# KiCad board pcb.kicad_pcb (continued)
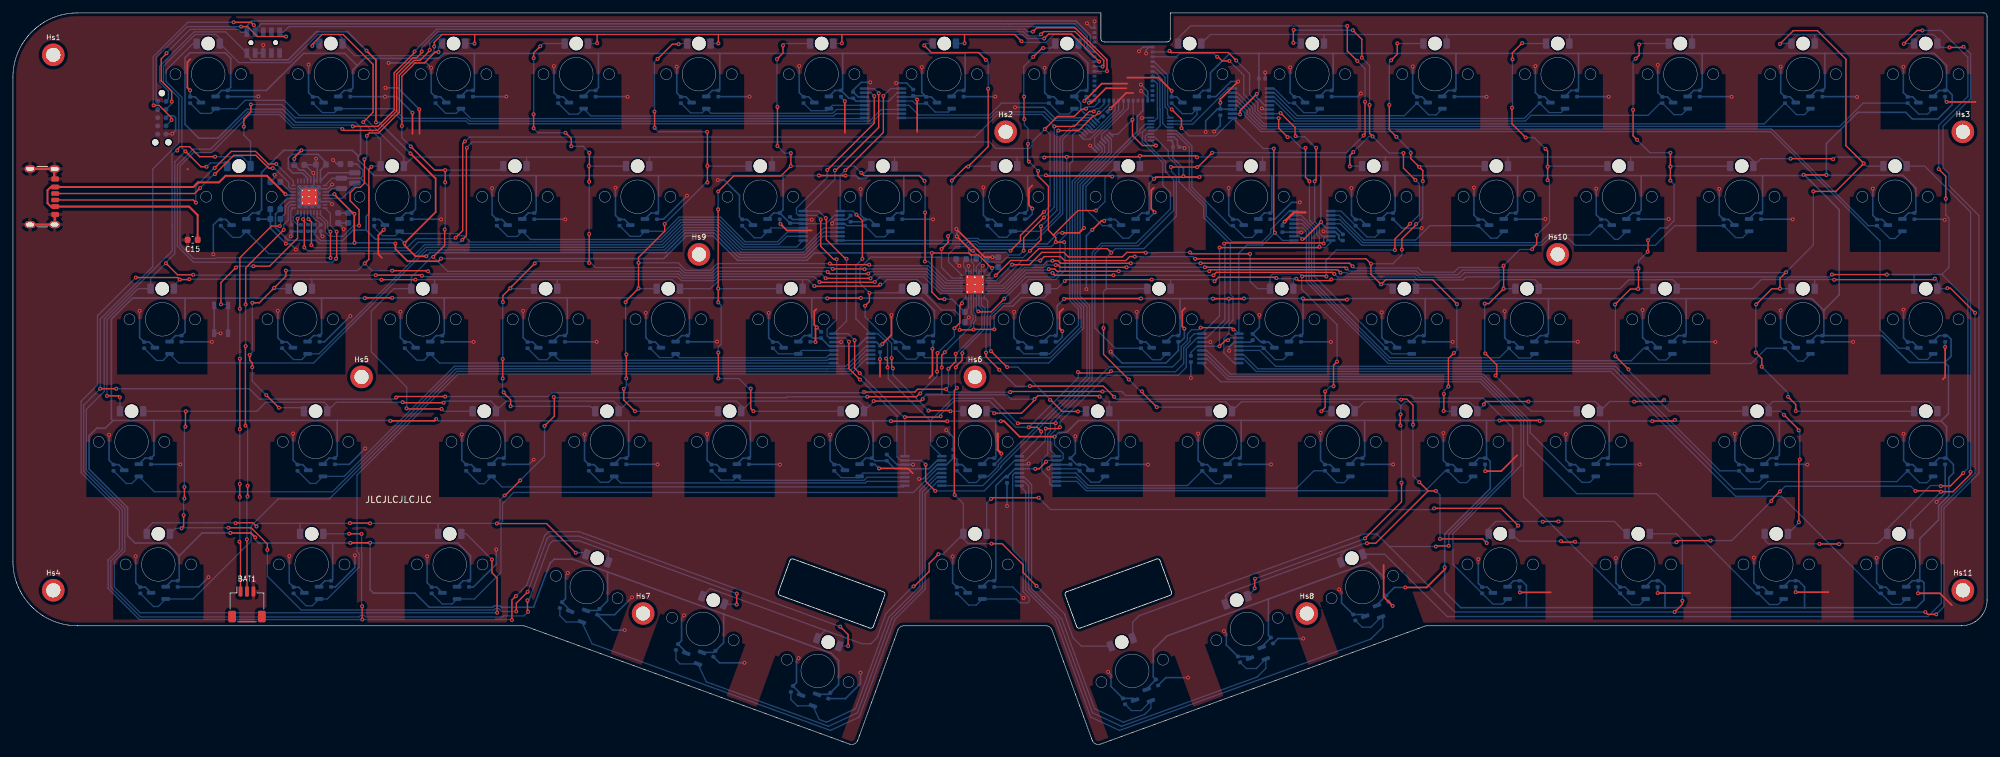
[diagram p0: board, top side]
## Routing (per net, layer and track width the routed paths; a pad name or vN(x,y) marks a point on that pad's centre or on a via; arc(x,y) is an arc through that point) (continued)
/NRESET: length 160.4
  Top w0.2: v1(35.34,111.22) 36.34,111.22 37.88,109.68 v1(42.31,109.68)
  Bottom w0.2: M1.7 167.2,106.55 165.94,107.81 165.94,109.57 164.28,111.22 154.47,111.22 154.47,111.23 153.47,111.23 153.47,111.22 42.75,111.22 41.88,110.35 JTAG1.10 41.98,109.68 v1(42.31,109.68) ; v1(35.34,111.22) 26.97,111.22 22.19,106.43 22.19,99.87 JTAG2.10
/SCL: length 181.7
  Top w0.2: v1(44.92,81.36) 45.01,81.36 45.13,81.24 v1(45.13,76.97) ; v1(166.19,98.5) 166.11,98.42 165.49,98.42 164.38,97.31 161.79,97.31 v1(159.81,95.32) ; v1(69.59,78.17) 70.23,78.81 70.23,92.36 v1(70.31,92.44) ; v1(154.51,76.48) 156.04,78.01 156.04,78.85 v1(159.7,82.51)
  Bottom w0.2: PMIC1.14 45.12,81.56 v1(44.92,81.36) 44.92,81.28 R1.2 ; v1(154.51,76.48) 154.28,76.71 149.32,76.71 148.89,77.14 148.4,77.14 148.02,76.75 148.02,76.04 148.44,75.62 148.44,74.74 148.8,74.39 LEDDR1.28 ; v1(45.13,76.97) 45.62,76.48 54.98,76.48 55.02,76.44 59.1,76.44 59.14,76.48 61.45,76.48 62.78,77.81 69.23,77.81 v1(69.59,78.17) ; 168.25,99.95 168.25,99.79 ; v1(159.7,82.51) 160.63,83.44 160.63,94.51 v1(159.81,95.32) 159.81,95.32 157.86,93.37 157.86,92.77 157.43,92.34 152.26,92.34 151.26,93.34 71.13,93.34 70.31,92.52 v1(70.31,92.44) ; M1.17 168.25,99.59 167.46,98.8 166.5,98.8 v1(166.19,98.5)
/SDA: length 179.9
  Top w0.2: v1(161.28,95.75) 164.39,95.75 166.71,98.07 v1(167.38,98.07) ; v1(45.77,81.38) 46.23,80.92 46.23,77.35 v1(46.22,77.34) ; v1(70,93.44) 69.66,93.1 69.66,79.59 v1(68.57,78.5) ; v1(156.54,76.5) 156.54,78.5 v1(159.68,81.64)
  Bottom w0.2: v1(159.68,81.64) 161.28,83.24 v1(161.28,95.75) 159.43,97.6 152.48,97.6 148.99,94.11 70.72,94.11 70.05,93.44 v1(70,93.44) ; LEDDR1.29 149.2,74 149.99,74.79 149.99,75.69 150.54,76.24 153.83,76.24 154.24,75.83 155.87,75.83 v1(156.54,76.5) ; v1(167.38,98.07) 167.82,98.5 168.25,98.5 169,99.25 M1.18 ; v1(68.57,78.5) 68.42,78.35 62.41,78.35 61.01,76.95 46.61,76.95 v1(46.22,77.34) ; PMIC1.13 45.62,81.53 v1(45.77,81.38) 45.84,81.38 R2.2
/SW0: length 994.2
  Top w0.2: 90.48,110 109.28,110 ; 90.48,110 71.51,110 ; 90.48,110 v1(90.48,108.65) ; 109.28,110 109.26,109.98 v1(109.26,108.62) ; 109.28,110 128.41,110 ; v1(131.81,54.58) 139.68,54.58 140.11,55.01 v1(144.52,55.01) ; v1(146.01,60.52) 146.01,59.3 v1(144.88,58.17) ; v1(299.91,108) 302.01,108 v1(302.11,108.1) ; 71.51,110 71.51,108.61 v1(71.49,108.59) ; 71.51,110 66.44,110 65.25,108.81 v1(65.25,108.13) ; v1(66.96,53.88) 59.5,53.88 v1(59.35,53.73) ; v1(258.56,22.21) 258.56,21.68 v1(257.36,20.48) ; 147.38,110 155.15,110 v1(156.2,108.95) ; 147.38,110 v1(147.38,108.63) ; 147.38,110 128.41,110 ; v1(79.69,22.29) 79.69,20.62 v1(79.79,20.52) ; v1(222.38,30.73) 220.47,30.73 v1(220.37,30.63) ; v1(168.76,54.66) 154.55,54.66 v1(154.45,54.56) ; 128.41,110 128.39,109.98 v1(128.39,108.63) ; v1(16.01,55.09) v1(13.52,55.09) ; v1(297.87,20.12) 296.53,20.12 v1(296.18,20.47)
  Bottom w0.2: 80.12,22.82 79.83,22.04 79.8,22.04 ; D13.2 260.05,109.94 260.11,110 ; D11.2 222.05,109.97 222.08,110 ; v1(144.88,58.17) 144.88,55.37 v1(144.52,55.01) 144.97,54.56 v1(154.45,54.56) ; v1(109.26,108.62) 109.24,108.6 D5.2 ; 279.1,110 279.05,109.95 D14.2 ; 279.1,110 260.11,110 ; 279.1,110 297.45,110 298.05,109.4 D15.2 298.65,108 v1(299.91,108) ; v1(258.56,22.21) 258.56,31.68 257.64,32.6 D70.2 ; D9.2 185.45,110 203.03,110 ; 213.17,30.63 211.23,32.57 209.2,32.57 174.44,19.91 173.42,18.89 D66.2 ; 213.17,30.63 223.32,20.48 v1(257.36,20.48) 296.17,20.48 v1(296.18,20.47) ; 213.17,30.63 v1(220.37,30.63) ; 203.03,110 222.08,110 ; 203.03,110 203.05,109.98 D10.2 ; 222.08,110 241.07,110 ; 260.11,110 241.07,110 ; v1(156.2,108.95) 156.38,108.77 160.02,108.77 160.02,108.78 161.24,110 163.83,110 165.05,108.78 D8.2 ; D3.2 71.48,108.6 v1(71.49,108.59) ; v1(147.38,108.63) 147.35,108.6 D7.2 ; 241.07,110 241.05,109.98 D12.2 ; LEDDR1.11 149.6,67.92 150.17,67.35 150.17,66.81 150.06,66.7 150.06,64.49 146.09,60.52 v1(146.01,60.52) ; v1(90.48,108.65) 90.43,108.6 D4.2 ; v1(222.38,30.73) 222.38,32.58 232.31,42.51 232.31,49.02 227.69,53.64 216.97,53.64 216.57,54.04 172.35,54.04 171.73,54.66 v1(168.76,54.66) ; v1(297.87,20.12) 299.06,21.31 299.06,36.56 304.49,41.99 304.49,81.92 299.83,86.59 299.83,88.41 298.93,89.31 298.93,95.8 303.17,100.04 303.19,100.04 303.19,107.02 v1(302.11,108.1) ; v1(79.69,22.29) 80.09,22.69 80.09,22.76 83.08,30.98 83.63,31.52 87.69,31.52 92.16,29.89 92.19,29.86 D62.2 ; v1(66.96,53.88) 82.9,53.88 83.49,54.47 131.7,54.47 v1(131.81,54.58) ; D6.2 128.36,108.6 v1(128.39,108.63) ; v1(79.79,20.52) 79.15,19.88 76,19.88 75.83,19.71 54.65,19.71 54.4,19.96 53.86,19.96 53.61,19.71 19.76,19.71 15.15,24.31 15.15,28.35 16.93,30.13 16.93,36.32 10.96,42.28 10.96,52.53 v1(13.52,55.09) 13.52,65.87 21.66,74.01 21.66,89.14 25.69,93.17 25.69,100.18 23.32,102.55 23.32,105.12 28.2,110 31.45,110 32.05,109.4 D1.2 35.01,105.64 42.88,105.64 47.24,110 50.45,110 51.05,109.4 D2.2 52.92,106.72 56.61,106.72 56.62,106.72 58.54,106.72 58.55,106.72 64.6,106.72 65.23,107.35 65.23,108.11 v1(65.25,108.13) ; v1(59.35,53.73) 59.1,53.48 38.21,53.48 36.6,55.09 v1(16.01,55.09)
/SW1: length 719.8
  Top w0.2: v1(272.33,37.67) 272.33,37.82 v1(273.69,39.18) ; v1(74.19,28.61) 74.19,26.56 74.99,25.76 v1(74.99,20.36) ; v1(25.45,92.01) 25.45,92.19 25.87,92.61 27.36,92.61 28.91,91.06 v1(31.31,91.06) ; v1(220.1,36.55) 230.46,36.55 v1(233.14,33.87) ; v1(35.76,95.71) 35.76,96.91 36.85,98 v1(36.85,99.15) ; v1(281.9,90.67) 281.81,90.76 v1(275.31,90.76) ; v1(257.63,31.3) 257.88,31.55 v1(262.92,31.55) ; v1(159.73,90.93) 159.84,91.04 v1(163.21,91.04) 174.41,91.04 v1(174.56,91.19) 183.16,91.19 v1(183.38,90.97) ; v1(149.52,67.08) 149.59,67.01 151.5,67.01 v1(153.54,69.05) ; v1(303.19,42.22) 303.19,41.84 300.47,39.12 v1(298.62,39.12) 298.47,39.27 294.7,39.27 v1(294.66,39.23) ; v1(239.76,31.46) 239.9,31.32 241.88,31.32 v1(241.93,31.37) ; v1(158.87,38.19) 151.65,38.19 v1(151.48,38.02)
  Bottom w0.2: 231.55,91 212.5,91 ; 231.55,91 250.55,91 ; 231.55,91 D26.2 ; 212.5,91 212.55,90.95 D25.2 ; 212.5,91 193.63,91 ; v1(31.31,91.06) 35.52,91.06 36.8,89.78 D16.2 36.8,93.38 35.76,94.42 v1(35.76,95.71) ; v1(149.52,67.08) 149.2,67.4 LEDDR1.12 ; 136.5,91 155.51,91 ; 136.5,91 117.53,91 ; 136.5,91 136.55,90.95 D21.2 ; 155.51,91 159.66,91 v1(159.73,90.93) ; 155.51,91 155.55,90.96 D22.2 ; v1(273.69,39.18) 274.48,39.97 293.92,39.97 v1(294.66,39.23) ; 117.53,91 117.55,90.98 D20.2 ; 117.53,91 98.58,91 ; v1(74.99,20.36) 19.7,20.36 15.7,24.36 15.7,28.33 17.33,29.96 17.33,36.48 11.37,42.45 11.37,51.89 14.14,54.67 14.14,65.92 24.67,76.45 24.67,80.47 24.65,80.49 24.65,91.39 25.27,92.01 v1(25.45,92.01) ; v1(262.92,31.55) 266.21,31.55 v1(272.33,37.67) ; 98.58,91 98.55,90.97 D19.2 ; 98.58,91 79.57,91 ; v1(151.48,38.02) 150.8,37.34 D65.2 ; v1(303.19,42.22) 303.19,82.5 296.09,89.6 D29.2 293.3,89.78 292.08,91 282.23,91 v1(281.9,90.67) ; v1(174.56,91.19) 174.55,91.18 D23.2 ; D72.2 293.9,34.41 v1(298.62,39.12) ; 79.57,91 79.55,90.98 D18.2 ; 79.57,91 61.95,91 D17.2 ; 193.63,91 193.55,90.92 D24.2 ; 193.63,91 183.41,91 v1(183.38,90.97) ; v1(275.31,90.76) 270.71,90.76 D28.2 269.55,90.4 268.95,91 250.55,91 ; v1(74.19,28.61) 70.2,32.6 D61.2 ; 250.55,91 D27.2 ; v1(153.54,69.05) 156.91,72.42 161.23,72.42 162.16,73.35 162.16,78.05 163.21,79.1 v1(163.21,91.04) ; v1(220.1,36.55) 219.91,36.36 160.7,36.36 v1(158.87,38.19) ; v1(257.63,31.3) 257.52,31.19 242.11,31.19 v1(241.93,31.37) ; v1(233.14,33.87) 232.15,32.88 D69.2 233.29,31.46 v1(239.76,31.46) ; 60.55,90.4 60.55,91.03 54.5,97.08 43.71,97.08 41.64,99.15 v1(36.85,99.15)
/SW2: length 671.4
  Top w0.2: v1(195.68,72.24) 195.55,72.37 186.72,72.37 v1(186.1,71.75) ; v1(162.91,71.79) 163.12,72 v1(176.37,72) ; v1(128.12,18.21) 129.35,16.98 v1(129.35,15.2) ; v1(77.28,19.24) 77.28,22.34 v1(77.89,22.95) ; v1(198.76,72.15) 199.06,71.85 204.01,71.85 v1(204.2,72.04) ; v1(19.02,72.33) 25.52,72.33 v1(25.84,72.01) 27.27,72.01 v1(27.33,72.07) ; v1(303.89,66.86) 300.07,70.68 v1(299.59,70.68) ; v1(152.01,64.29) 148.77,64.29 v1(148.77,64.27) 148.71,64.21 v1(146.62,64.21) ; v1(54,32.6) 53.99,32.61 v1(52.08,32.61) ; v1(54.13,19.31) 54.09,19.35 v1(54.09,21.39) ; v1(297.66,72.16) 297.5,72 282.08,72 v1(282.06,71.98) ; v1(57.07,71.98) 57.09,72 v1(62.35,72) ; v1(134.33,71.25) 134.07,70.99 124.14,70.99 v1(124.12,71.01)
  Bottom w0.2: v1(282.06,71.98) 282,72.04 281.53,72.04 281.51,72.01 279.11,72.01 ; v1(77.28,19.24) 77.21,19.31 v1(54.13,19.31) 53.78,19.31 53.78,19.3 19.59,19.3 14.75,24.15 14.74,24.16 14.74,28.51 14.75,28.51 14.75,28.52 16.5,30.27 16.5,36.14 10.56,42.07 10.56,53.14 13.09,55.67 13.09,66.4 v1(19.02,72.33) ; D31.2 46.3,72 46.23,72.07 ; 91.28,31.62 87.66,32.93 82.96,32.93 82.37,32.35 79.58,24.67 79.58,24.63 v1(77.89,22.95) ; v1(152.01,64.29) 151.97,64.32 151.97,66.45 153.42,67.9 154.88,67.9 156.17,69.19 159.7,69.19 160.3,69.8 D37.2 161.72,70.6 v1(162.91,71.79) ; 91.2,31.65 v1(128.12,18.21) ; D39.2 198.3,72.07 198.22,72.15 ; D60.2 52.07,32.6 v1(52.08,32.61) ; 179.33,72 179.3,71.97 D38.2 ; 179.33,72 v1(176.37,72) ; 179.33,72 185.85,72 v1(186.1,71.75) ; v1(303.89,66.86) 303.89,42.01 298.66,36.78 298.66,21.85 296.59,19.78 222.13,19.78 212.48,29.42 D68.2 ; v1(25.84,72.01) 24.93,71.09 D30.2 ; v1(146.62,64.21) 146.62,66.45 145.77,67.3 143.8,67.3 141.3,69.8 D36.2 ; D32.2 65.3,71.97 65.27,72 ; LEDDR1.13 148.8,66.88 149.1,66.57 149.1,65.7 148.8,65.4 148.8,64.3 v1(148.77,64.27) ; 122.28,72 122.3,71.98 D35.2 ; 122.28,72 123.13,72 v1(124.12,71.01) ; 122.28,72 109.43,72 108.03,70.6 D34.2 103.3,70.78 102.08,72 84.27,72 ; v1(297.66,72.16) 298.05,71.77 D44.2 299.51,70.6 v1(299.59,70.68) ; v1(195.68,72.24) 195.77,72.15 198.22,72.15 ; 198.22,72.15 v1(198.76,72.15) ; 84.27,72 65.27,72 ; 84.27,72 84.3,71.97 D33.2 ; v1(134.33,71.25) 134.61,71.25 135.36,72 140.08,72 141.3,70.78 ; D64.2 129.35,15.19 v1(129.35,15.2) ; v1(27.33,72.07) 46.23,72.07 ; 46.23,72.07 56.98,72.07 v1(57.07,71.98) ; 65.27,72 v1(62.35,72) ; v1(54.09,21.39) 54,21.48 54,27.24 54.02,27.27 54.02,29.68 54,29.7 v1(54,32.6) ; D43.2 279.05,71.98 279.01,72.01 270.79,72.01 269.37,70.6 D42.2 257.68,71.4 257.07,72 254.43,72 254.41,71.98 250.27,71.98 248.89,70.6 D41.2 236.3,71.4 235.7,72 230.49,72 229.14,70.65 217.35,70.65 D40.2 217.3,71.4 216.68,72.02 204.96,72.02 204.94,72.04 v1(204.2,72.04)
/SW3: length 522.7
  Top w0.2: v1(151.97,51.29) 156.2,51.29 158.21,53.3 v1(158.21,53.47) 158.75,54.01 168.16,54.01 v1(168.3,53.86) ; v1(214.88,49.41) 214.88,51.07 v1(214.92,51.11) ; v1(140.91,53.49) 140.59,53.18 v1(133.3,53.18) ; v1(39.41,30.11) 39.41,31.02 36.9,33.54 v1(33.36,33.54) ; v1(26.78,51.6) 26.72,51.54 v1(26.72,49.21) ; v1(26.56,38.07) v1(26.56,39.86) ; v1(274.29,51.04) 276.57,48.76 v1(276.57,48.64) ; v1(255.72,53.33) 255.5,53.11 251.11,53.11 v1(251.09,53.09) ; v1(60.36,53) 60.44,52.92 v1(66.7,52.92) ; v1(234.72,53.11) 228.11,53.11 227.81,52.81 v1(227.81,52.66) ; v1(192.31,24.16) 192.31,25.58 v1(192.36,25.63) ; v1(143.86,58.36) 143.86,60.28 v1(144.34,60.76) ; v1(215.06,40.53) 215.06,37.55 v1(209.4,31.89) ; v1(276.75,44.11) 276.6,43.96 v1(276.6,34.39) ; v1(112.09,21.63) 112.09,23.31 v1(112.11,23.33) ; v1(26.11,33.45) 26.44,33.78 v1(26.44,35.51) ; v1(79.74,23.62) 77.96,21.84 v1(77.96,20.56)
  Bottom w0.2: v1(209.4,31.89) 209.29,31.78 209.24,31.78 v1(192.36,25.63) ; D59.2 25.18,33.45 v1(26.11,33.45) 26.2,33.54 v1(33.36,33.54) ; v1(151.97,51.29) 151.66,51.6 D51.2 ; D67.2 192.31,24.02 v1(192.31,24.16) ; 143.92,54.15 141.4,54.15 140.91,53.66 v1(140.91,53.49) ; 143.92,54.15 153.94,54.15 154.62,53.47 v1(158.21,53.47) ; 143.92,54.15 143.86,54.21 v1(143.86,58.36) ; v1(77.96,20.56) 75.71,20.56 75.26,21.01 74.72,21.01 74.5,20.79 44.64,20.79 39.41,26.02 v1(39.41,30.11) ; v1(79.74,23.62) 82.73,31.84 83.13,32.23 87.65,32.23 v1(112.11,23.33) ; D71.2 276.6,34.3 v1(276.6,34.39) ; v1(112.09,21.63) 112.02,21.69 D63.2 ; D52.2 169.8,53.04 169.82,53.06 ; D57.2 271.93,52.49 272.54,53.11 296.72,53.11 298.05,51.78 D58.2 ; D57.2 271.93,52.41 271.23,53.11 255.95,53.11 v1(255.72,53.33) ; D57.2 273.73,51.6 v1(274.29,51.04) ; v1(214.88,49.41) 215.06,49.23 v1(215.06,40.53) ; v1(251.09,53.09) 251.07,53.11 247.31,53.11 D56.2 245.8,52.39 245.08,53.11 v1(234.72,53.11) ; v1(60.36,53) 50.08,53 D46.2 48.67,52.53 48.21,53 39.18,53 37.78,51.6 v1(26.78,51.6) D45.2 ; v1(144.34,60.76) 148.4,64.82 148.4,65.57 148.7,65.87 148.7,66.41 148.4,66.71 LEDDR1.14 ; v1(66.7,52.92) 66.95,53.17 74.03,53.17 74.8,52.4 D47.2 76.37,53.17 93.03,53.17 93.8,52.4 D48.2 95.34,53.14 95.34,53.17 112.04,53.17 112.8,52.41 D49.2 114.37,53.17 131.03,53.17 131.8,52.4 D50.2 133.3,53.1 v1(133.3,53.18) 133.29,53.17 ; v1(168.3,53.86) 168.44,53.86 169.25,53.06 169.82,53.06 ; v1(26.56,38.07) 26.44,37.95 v1(26.44,35.51) ; 169.82,53.06 187.84,53.06 188.8,52.1 D53.2 190.26,53.06 206.77,53.06 207.8,52.03 D54.2 209.26,53.06 214.34,53.06 214.92,52.48 v1(214.92,51.11) 214.92,52.4 215.58,53.06 225.52,53.06 226.8,51.78 D55.2 227.81,52.61 v1(227.81,52.66) ; v1(276.57,48.64) 276.75,48.46 v1(276.75,44.11) ; v1(26.72,49.21) 26.56,49.05 v1(26.56,39.86)
/SWDCLK: length 165.8
  Top w0.2: v1(24.57,96.74) 24.57,97.08 22.65,99.01 v1(21.79,99.01) ; v1(34.18,111.9) 36.87,111.9 v1(37.31,111.46)
  Bottom w0.2: v1(37.31,111.46) 37.5,111.27 JTAG1.4 37.5,110.71 ; JTAG2.4 24.57,96.7 v1(24.57,96.74) ; v1(34.18,111.9) 27.08,111.9 21.73,106.54 21.73,99.07 v1(21.79,99.01)
  Bottom w0.25: M1.6 167.15,107.3 166.37,108.08 166.37,109.74 164.46,111.65 154.65,111.65 154.64,111.65 153.3,111.65 153.29,111.65 38.43,111.65 37.5,110.71 JTAG1.4
/SWDIO: length 159.5
  Top w0.2: v1(23.79,107.12) 23.79,107.05 22.97,106.23 22.97,102.84 22.96,102.83 24.59,101.2 v1(24.59,99.57)
  Bottom w0.2: JTAG1.2 35.35,110.35 34.9,110.8 27.47,110.8 v1(23.79,107.12) ; JTAG2.2 24.59,99.26 v1(24.59,99.57)
  Bottom w0.25: M1.5 167.08,108.05 166.88,108.24 166.88,109.87 164.65,112.1 154.83,112.1 154.83,112.1 153.11,112.1 153.11,112.1 36.99,112.1 36.23,111.33 JTAG1.2
/VOUT2: length 21.3
  Bottom w0.25: L2.1 48.88,88.56 PMIC1.32 47.62,88.97 C22.1 48.49,90.17 47.24,91.42 43.24,91.42 42.66,90.84 42.66,89.23 43.35,88.53 44.84,88.53 45.62,87.75 PMIC1.28
/VSYS: length 154.9
  Top w0.2: v1(151.64,73.79) 151.56,73.79 149.52,75.84 148.4,75.84 148.1,76.14 v1(142.31,76.14) 142.31,70.09 143.42,68.98 v1(144.27,68.98)
  Top w0.25: v1(52.91,77.71) 52.87,77.75 52.87,82.18 v1(52.89,82.2) 52.78,82.2 49.79,85.19 v1(49.79,85.25) ; v1(66.3,75.26) 65.89,74.85 61.13,74.85 59.24,76.73 v1(59.24,77.6)
  Bottom w0.2: C31.1 151.78,73.93 v1(151.64,73.79) 151.64,73.3 LEDDR1.1 ; LEDDR1.15 148,67.56 C32.1 145.43,68.98 v1(144.27,68.98)
  Bottom w0.25: PMIC1.20 42.48,84.6 41.42,83.54 41.42,83.07 ; v1(142.31,76.14) 124.13,76.14 122.98,74.99 112.22,74.99 108.42,78.78 104.33,78.78 101.29,75.75 101.29,75.75 100.8,75.26 v1(66.3,75.26) ; v1(52.89,82.2) 52.74,82.35 C7.1 51.92,82.34 C6.1 ; v1(49.79,85.25) 49.64,85.1 PMIC1.4 ; v1(59.24,77.6) 59.13,77.71 v1(52.91,77.71) 52.8,77.59 47.48,77.59 46.98,78.09 42.64,78.09 40.66,80.07 40.66,80.08 40.66,82.16 41.41,82.91 C8.1
Net-(BAT1-NTC): length 63.5
  Top w0.2: BAT1.2 36.25,31.74 v1(36.24,31.75) ; v1(36.01,49.37) 36.01,61.66 v1(36.04,61.69) ; v1(36.04,68.15) 36.05,68.16 36.05,73.83 v1(41.95,79.73) ; v1(36.34,38.39) 36.35,38.4 v1(36.35,40.05)
  Bottom w0.2: v1(41.95,79.73) 41.95,80.54 42.63,81.21 42.63,83.21 43.01,83.6 PMIC1.18 ; v1(36.35,40.05) 36.35,49.03 v1(36.01,49.37) ; v1(36.24,31.75) 36.24,38.29 v1(36.34,38.39) ; v1(36.04,68.15) v1(36.04,61.69)
Net-(BAT1-VBAT): length 64.9
  Top w0.2: v1(35.14,40.33) v1(35.14,38.3) ; v1(35.15,67.5) 35.15,75.4 40.06,80.31 v1(41.35,80.31) ; v1(35.15,59.75) v1(35.15,48.81) ; v1(35.08,31.38) 35.25,31.21 BAT1.1
  Bottom w0.2: v1(35.08,31.38) 35.14,31.44 v1(35.14,38.3) ; v1(35.14,40.33) 35.14,48.8 v1(35.15,48.81) ; v1(35.15,67.5) v1(35.15,59.75) ; C28.1 41.44,80.4 v1(41.35,80.31)
  Bottom w0.25: PMIC1.19 42.91,84.1 42.2,83.39 42.2,82.27 41.47,81.54 41.43,81.54
Net-(LEDDR1-VCAP): length 2.3
  Bottom w0.2: C30.2 147.23,74.78 147.23,74.04 147.6,73.67 LEDDR1.25
Net-(PMIC1-CC1): length 41.9
  Top w0.2: v1(31.28,88.35) 34.2,91.27 37.63,91.27 39.62,89.28 v1(40.24,89.28) ; v1(29.01,86.22) 28.14,85.35 6.48,85.35
  Bottom w0.2: PMIC1.23 43.01,86.1 42.72,86.38 42.72,87.05 40.5,89.28 v1(40.24,89.28) ; v1(31.28,88.35) 31.14,88.35 v1(29.01,86.22)
Net-(PMIC1-CC2): length 44.5
  Top w0.2: v1(31.24,89.3) 33.82,91.88 37.59,91.88 39.54,89.93 v1(40.79,89.93) ; v1(28.34,83.94) 27.93,84.35 6.48,84.35
  Bottom w0.2: v1(28.34,83.94) 28.34,86.47 31.17,89.3 v1(31.24,89.3) ; PMIC1.24 43.42,87.29 v1(40.79,89.93)
Net-(PMIC1-SHPHLD): length 27.8
  Top w0.2: v1(32.22,68.17) 32.22,71.56 v1(34.54,73.88) ; v1(37.25,74.09) 39.75,74.09 44.09,78.43 v1(44.09,81.44)
  Bottom w0.2: v1(34.54,73.88) 34.75,74.09 v1(37.25,74.09) ; v1(32.22,68.17) 33.16,68.17 SW1.2 SW1.2 ; v1(44.09,81.44) 44.62,81.98 PMIC1.15
Net-(PMIC1-SW1): length 2.8
  Bottom w0.2: L1.2 49.4,86.12 48.88,85.6 PMIC1.3
Net-(PMIC1-SW2): length 5.8
  Bottom w0.2: L2.2 52.96,86.56 51,84.6 PMIC1.5
Net-(PMIC1-VBUS): length 70.1
  Top w0.3: v1(42.21,85.23) 39.34,88.1 32.94,88.1 31.92,87.08 28.66,87.08 27.95,86.37 5.88,86.37 5.36,85.85 5.36,83.85 5.88,83.33 27.28,83.33 28.61,82 C15.1
  Bottom w0.3: v1(42.21,85.23) 42.34,85.1 PMIC1.21
Net-(PMIC1-VBUSOUT): length 2.7
  Bottom w0.2: C14.1 42.32,86.22 42.32,86.22 42.94,85.6 PMIC1.22
Net-(PMIC1-VSET1): length 2.8
  Bottom w0.2: R3.2 43.14,80.89 43.03,81 43.03,82.7 PMIC1.17
Net-(PMIC1-VSET2): length 3
  Bottom w0.2: PMIC1.16 43.43,81.7 43.43,81.17 44.09,80.51 R4.2

## Copper pours and planes (outline as drawn; the poured copper is in the pictures)
GND on Top: -2.09,117.43 310.45,117.68 310.77,-22.69 -1.21,-22.81

Small or netless copper shapes (teardrops, artwork), in the pictures only: 645 on Top, 2124 on Bottom
